# Altium PCB AX7021B.PcbDoc (part 1 of 6)
Units mil, origin at the board's own origin, x right, y up, seen from the top; angles counter-clockwise.
Board outline 5906.91 x 4331.71 mil, 4 copper layers (TOP, SGND, SVCC, BOTTOM), stack 63 mil thick; 463 components, 582 nets, 2114 pads, 861 vias.
Unrouted connection lines stored in the file: 129.
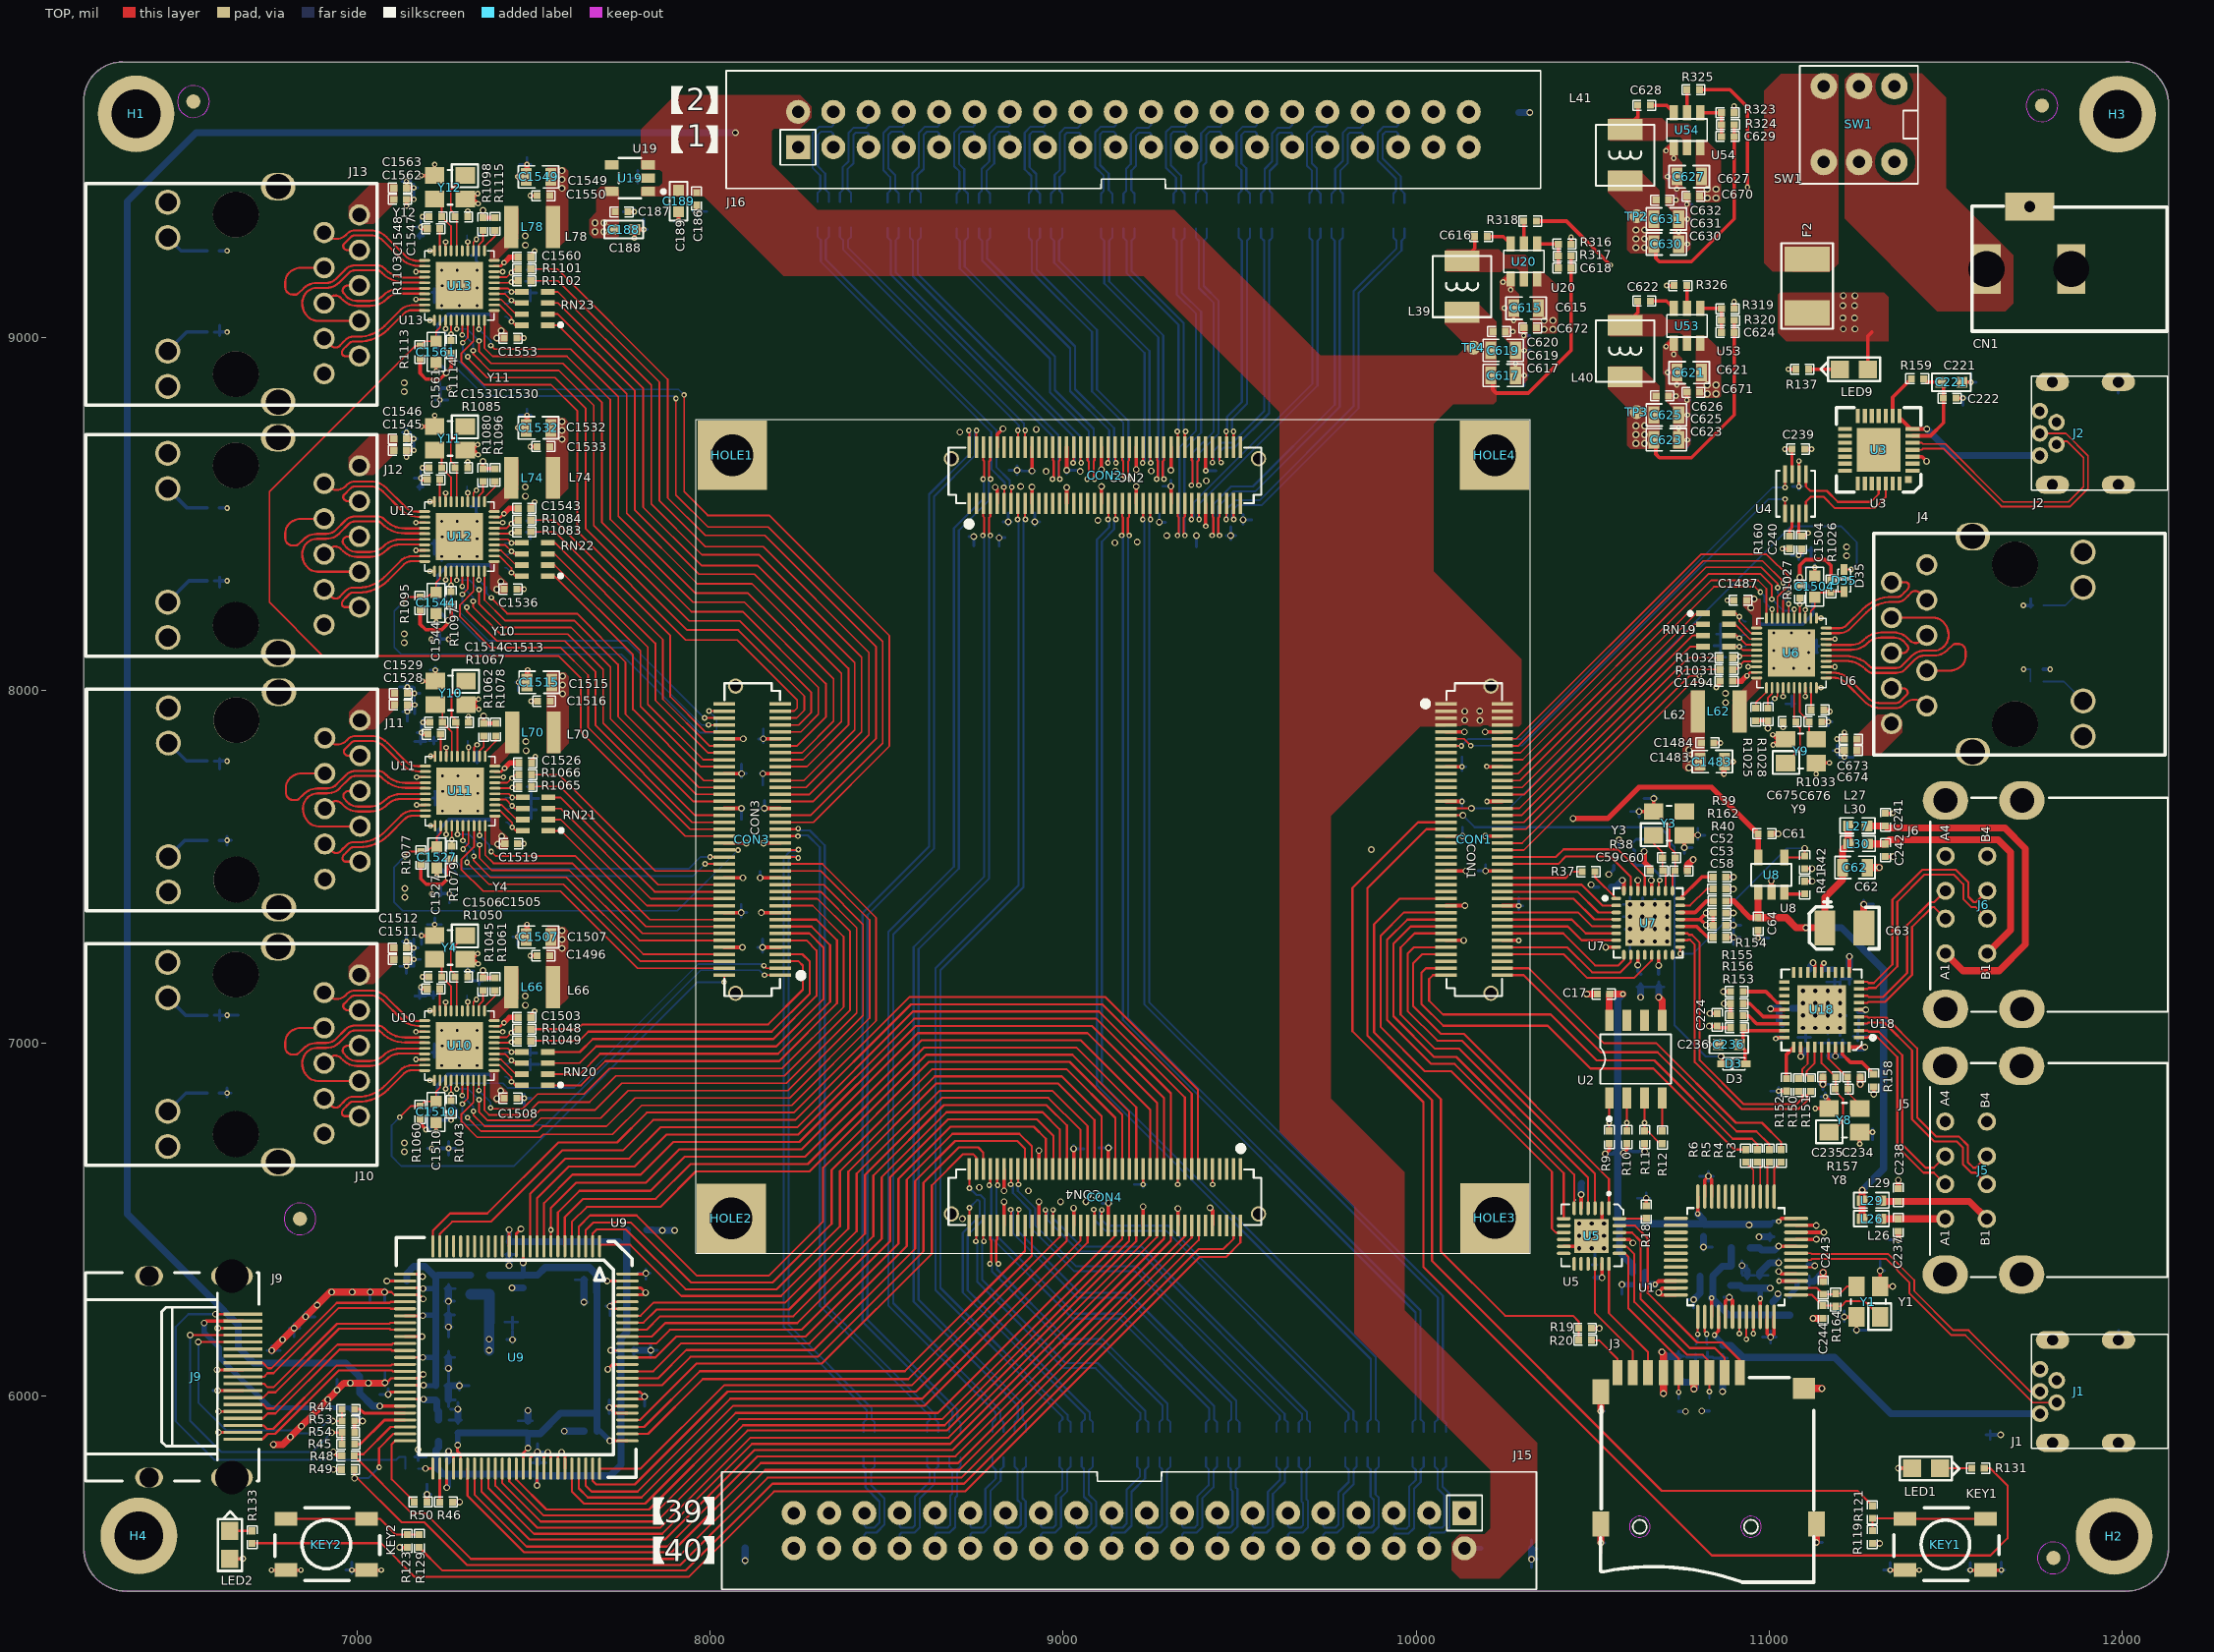
[diagram p0: TOP view]
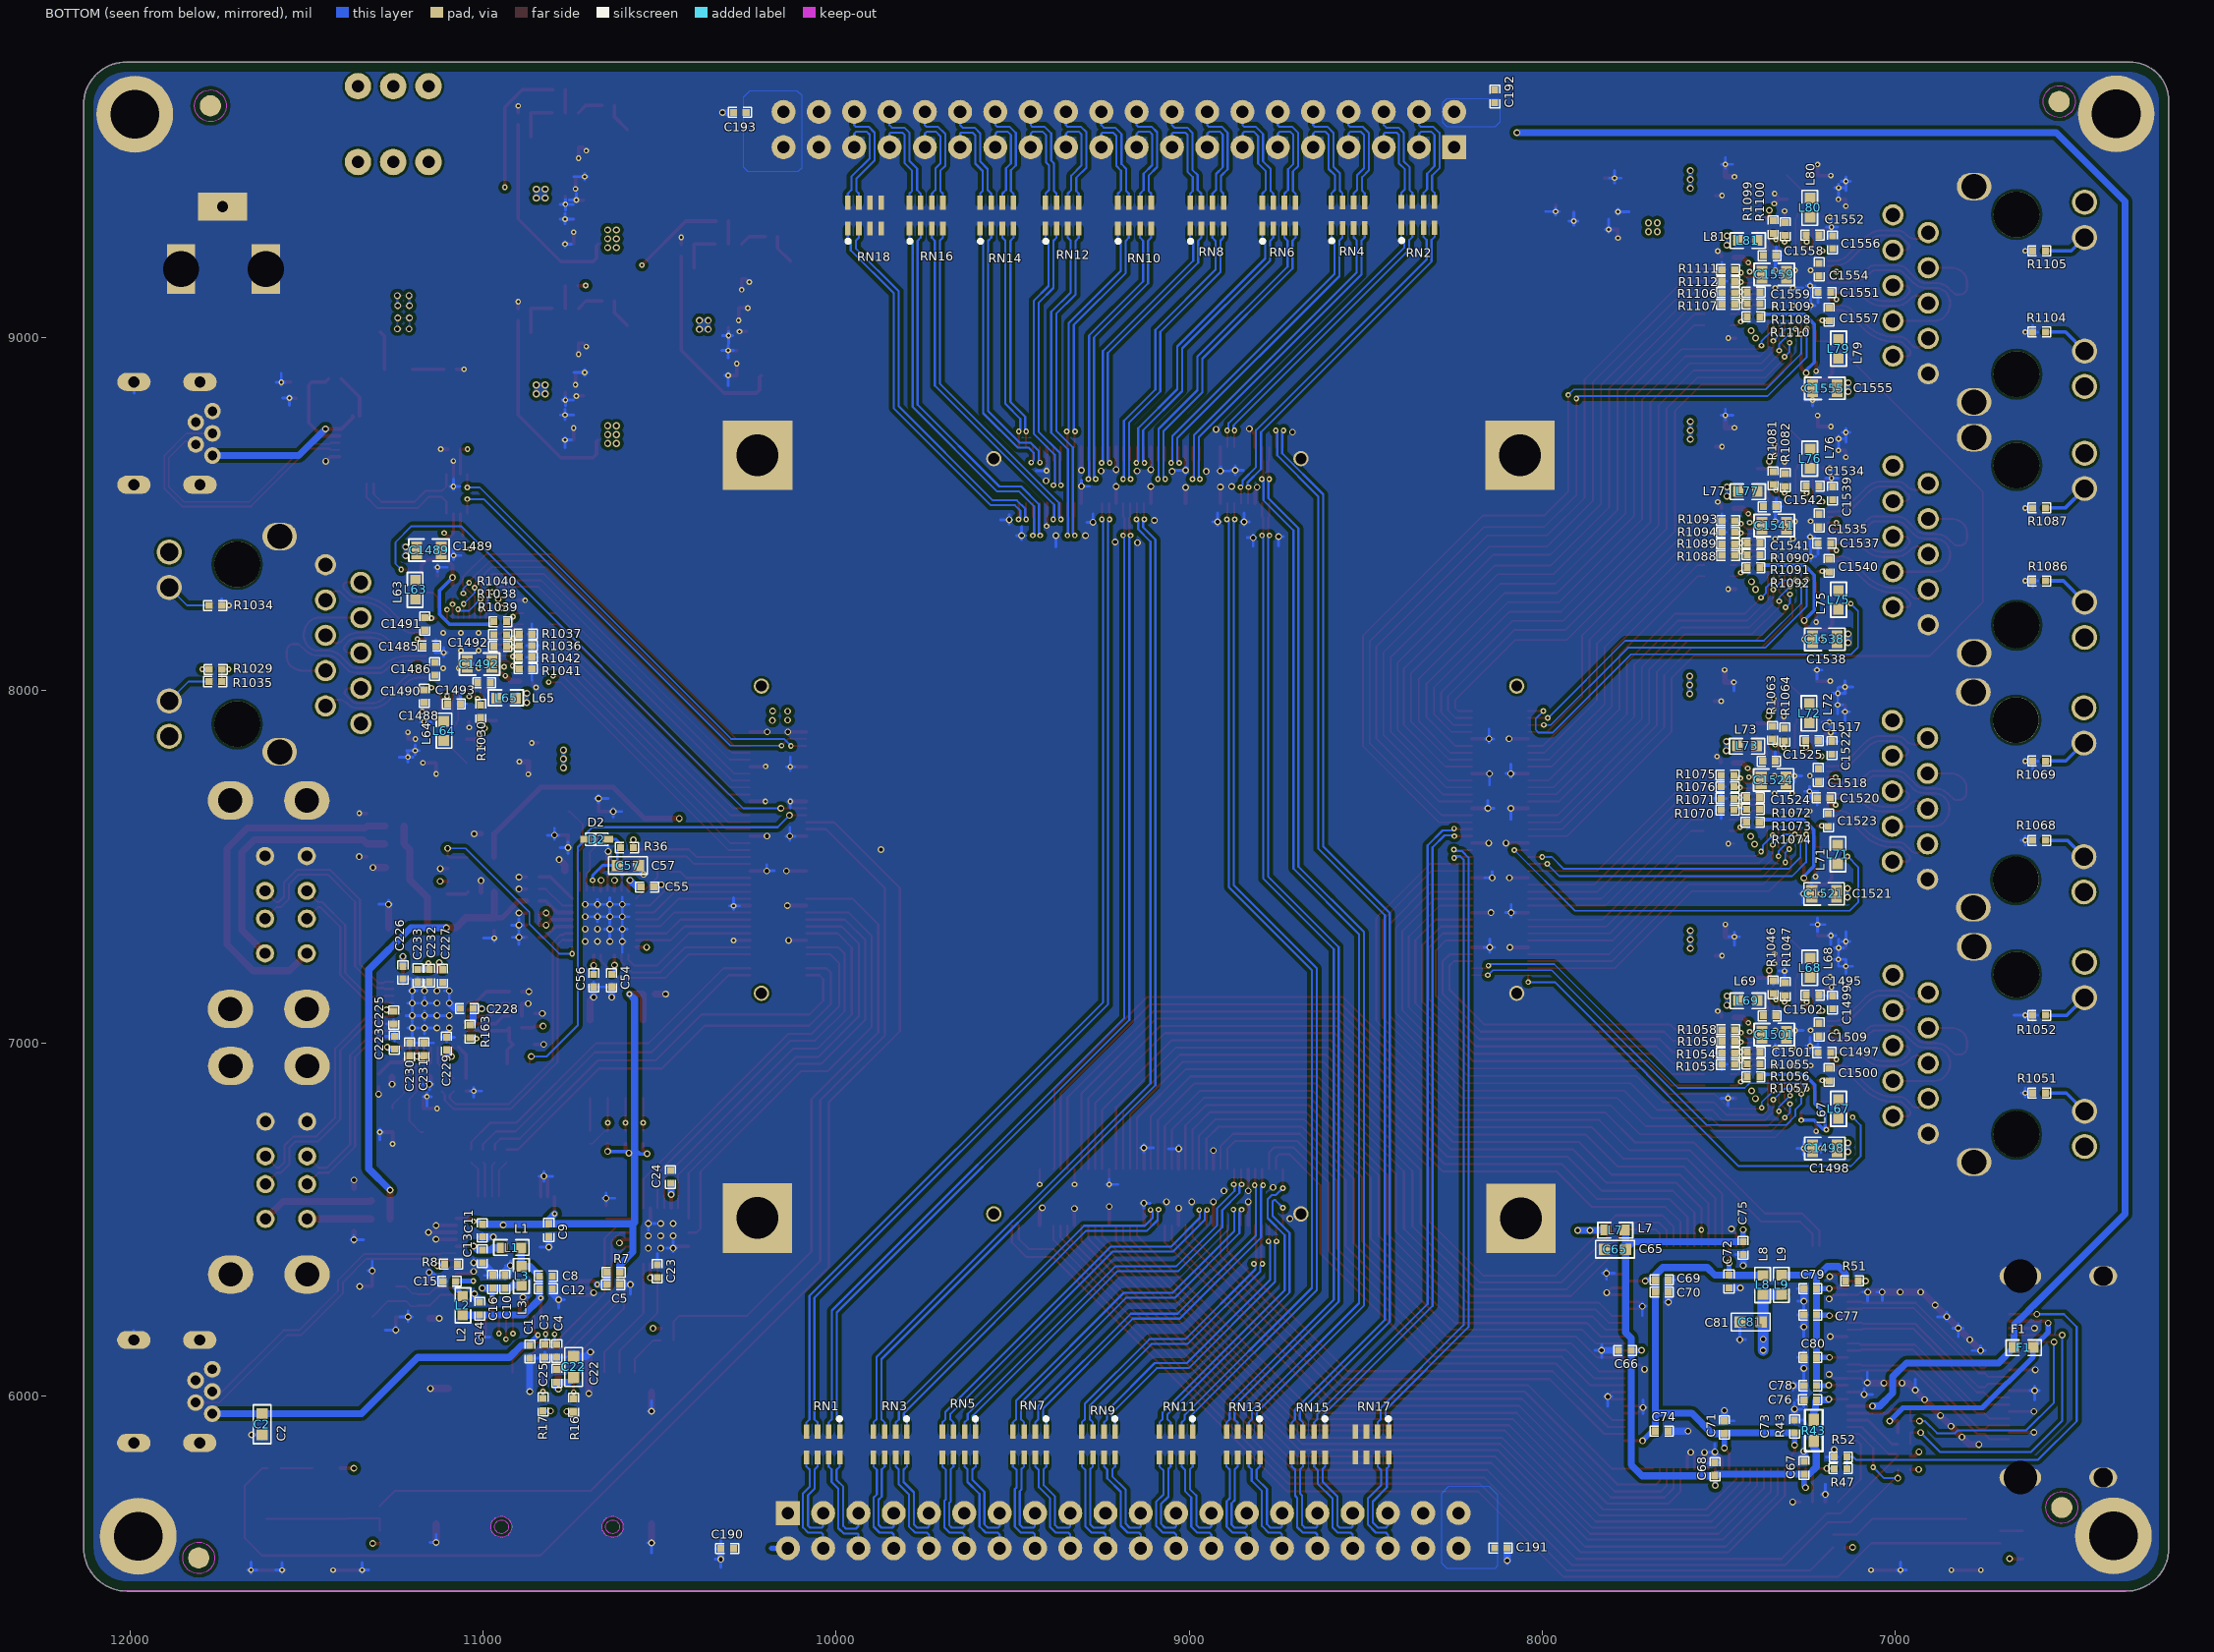
[diagram p1: BOTTOM view, seen from below]
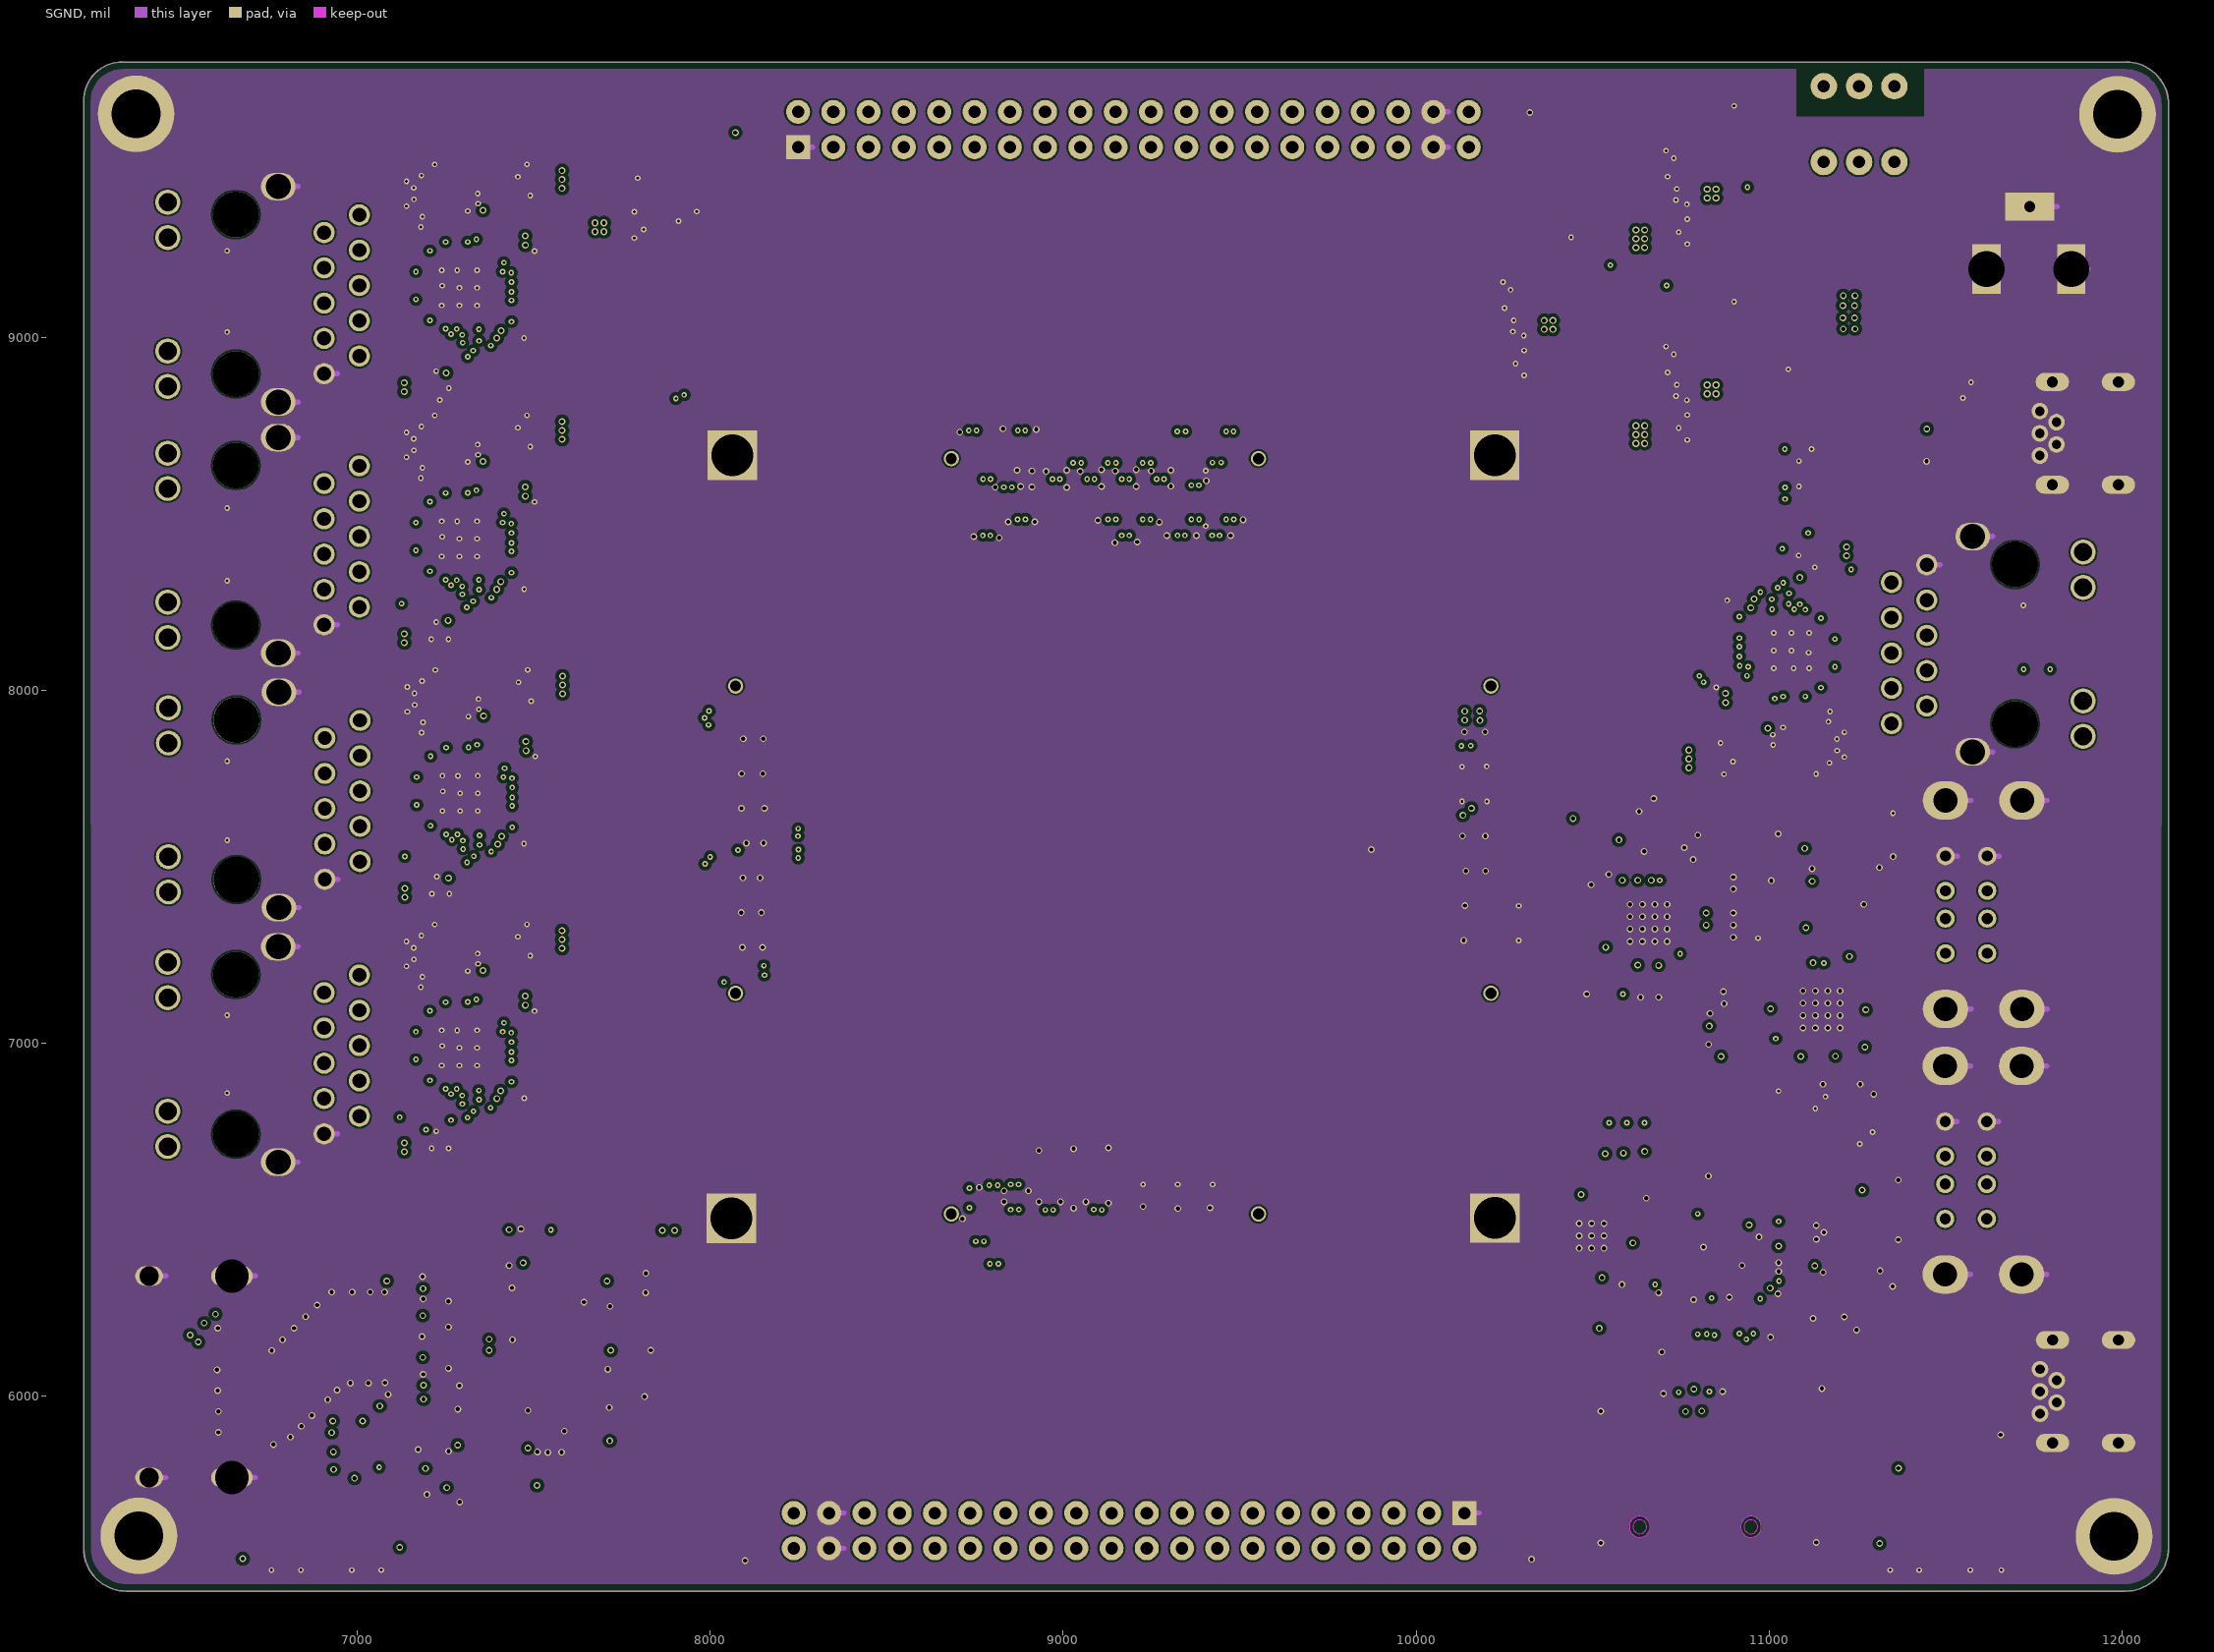
[diagram p2: SGND]